# KiCad board ddr4-datacenter-tester.kicad_pcb
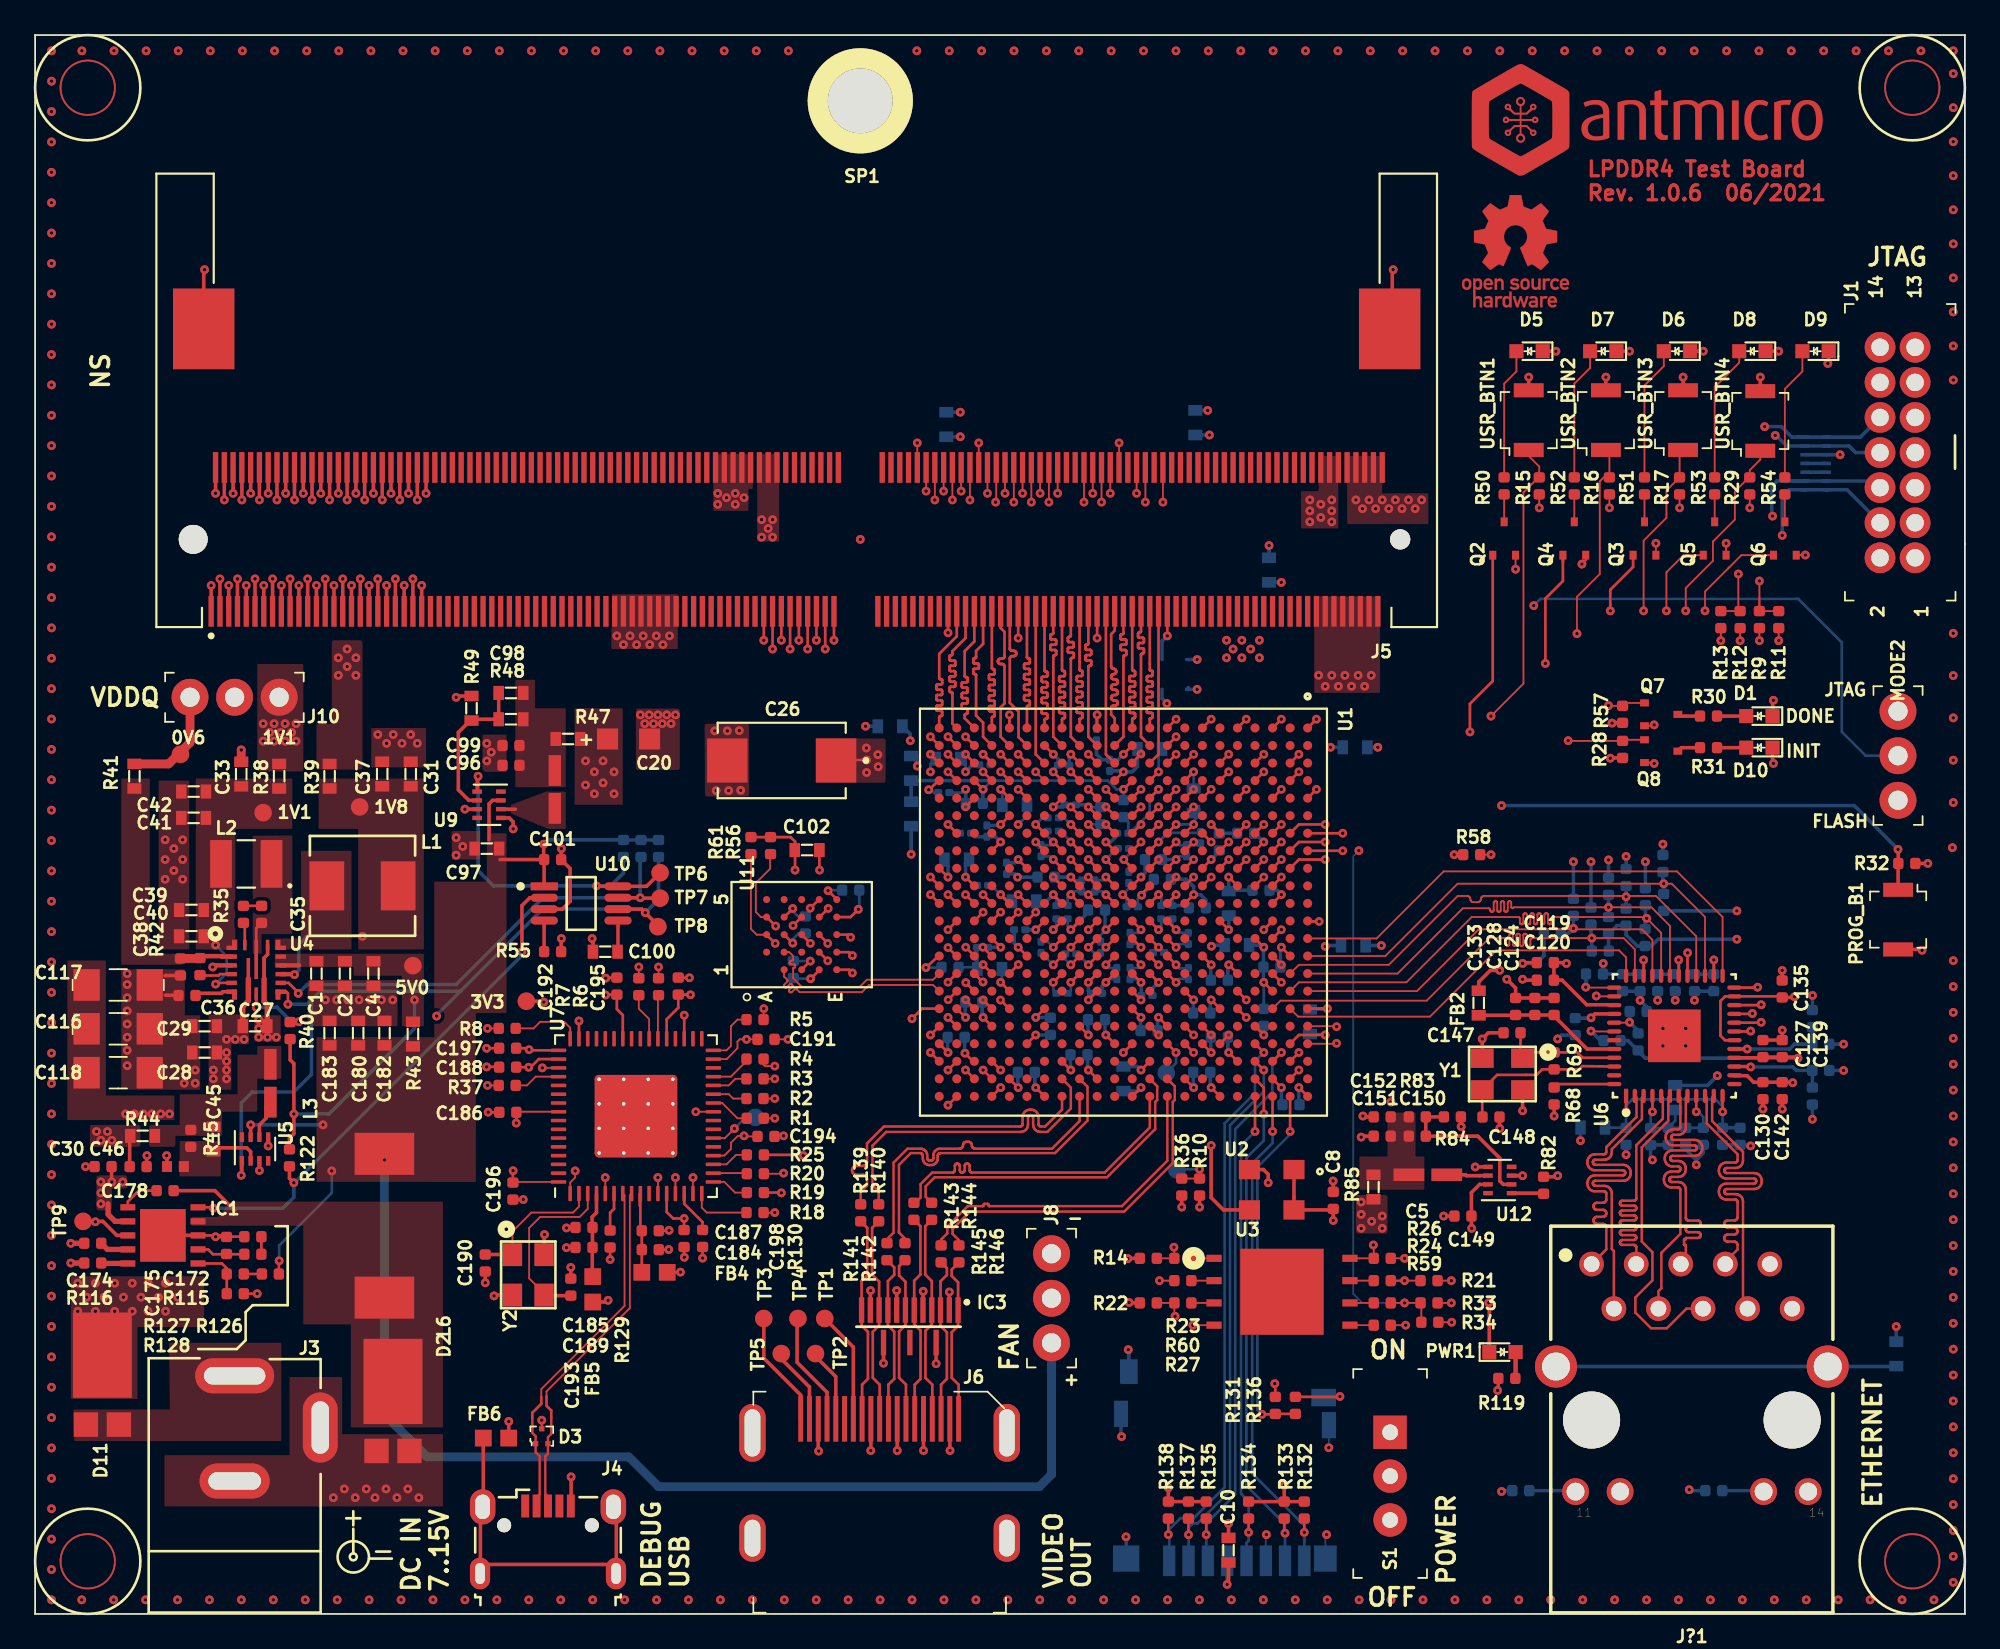
[diagram p0: board, top side]
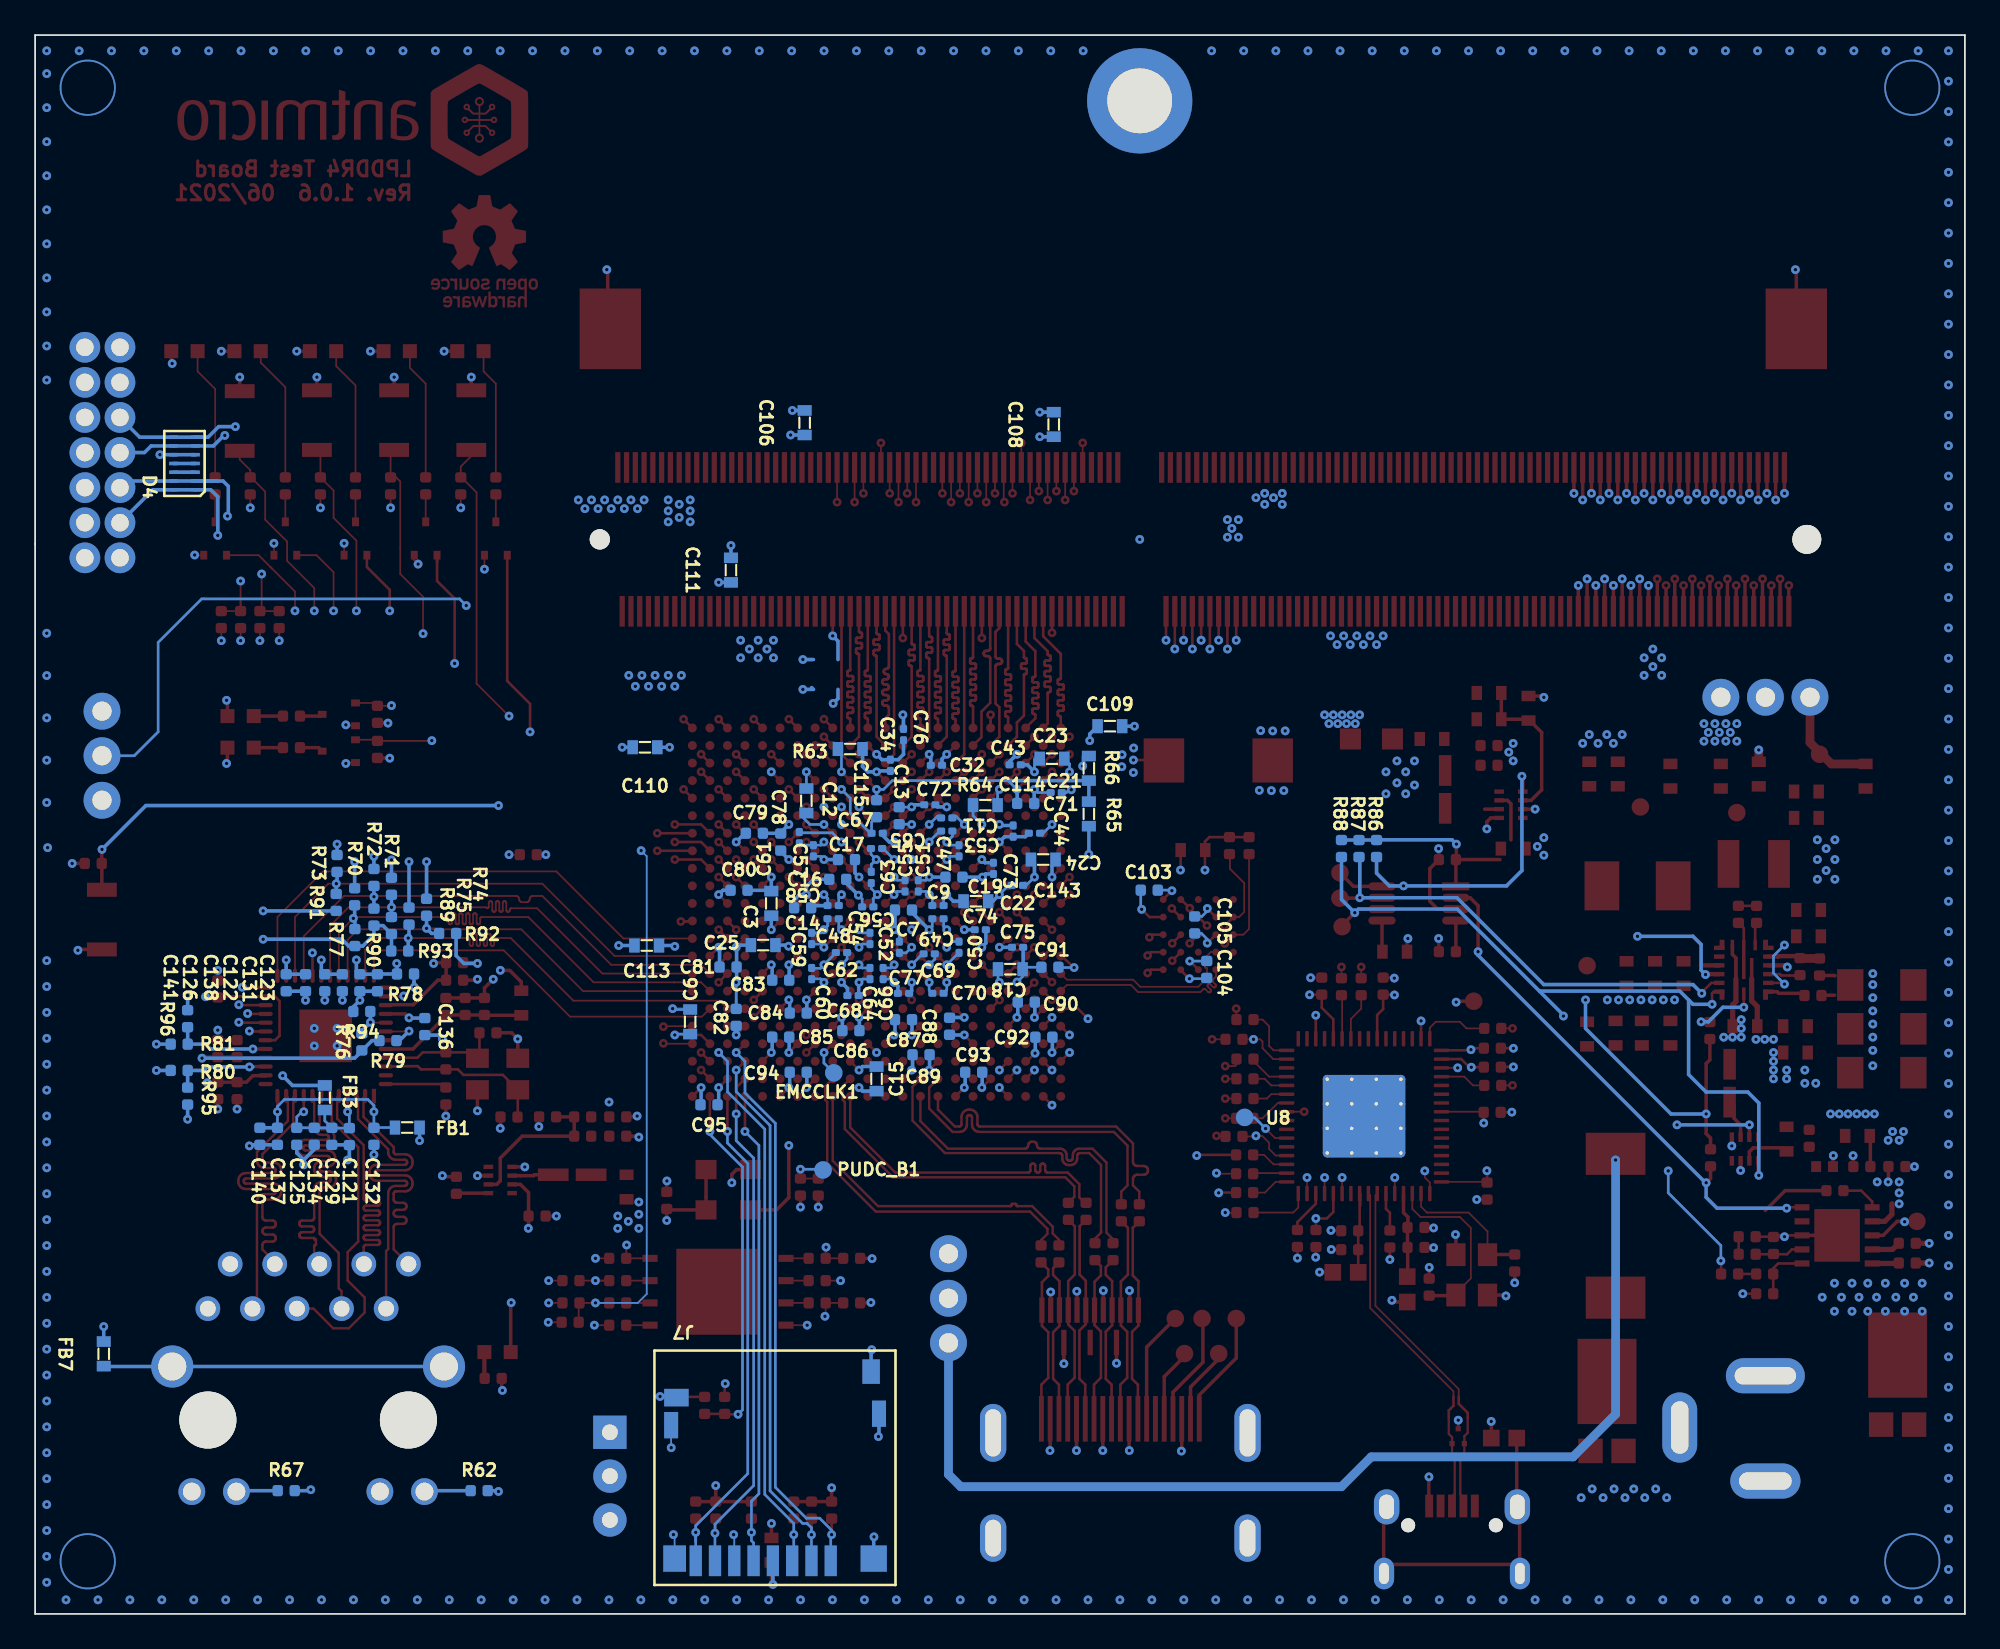
[diagram p1: board, bottom side, seen from below]

Outline 110 x 90 mm; copper layers: Top, GND1 (plane), In2.Cu, GND2 (plane), VCC1 (plane), In5.Cu, VCC2 (plane), Bottom. Coordinates in mm from the lower left corner of the outline.
Outline path: 0,90 110,90 110,0 0,0 0,90

## Placement (name value [footprint] x y rotation side)
0V6  TP_SMD1MM  [Testpoint_smd_1mm]  8.29 49.05 180 top
1V1  TP_SMD1MM  [Testpoint_smd_1mm]  13 45.62 0 top
1V8  TP_SMD1MM  [Testpoint_smd_1mm]  18.5 46.05 180 top
3V3  TP_SMD1MM  [Testpoint_smd_1mm]  28 34.88 0 top
5V0  TP_SMD1MM  [Testpoint_smd_1mm]  21.54 37 180 top
C1  C_10u_0603  [0603-cap]  16.04 36.5 270 top
C2  C_100n_0603  [0603-cap]  17.66 36.5 270 top
C3  C_47u_0603  [0603-cap]  68.04 40.5 90 bottom
C4  C_1u_0603  [0603-cap]  19.29 36.5 270 top
C5  C_100n_0402_6V3  [0402-cap]  76.79 20.27 0 top
C6  C_47u_0603  [0603-cap]  72.66 33.75 270 bottom
C7  C_4u7_0402  [0402-cap]  60.5 40.12 0 bottom
C8  C_100n_0402_6V3  [0402-cap]  74 23.57 90 top
C9  C_100n_0201  [0201-res]  58.54 40.38 0 bottom
C10  C_1u_0603  [0603-cap]  68.03 3.63 90 top
C11  C_100n_0201  [0201-res]  58.04 45.38 180 bottom
C12  C_47u_0603  [0603-cap]  66.04 46.35 90 bottom
C13  C_470n_0402  [0402-cap]  60.75 45.5 90 bottom
C14  C_4u7_0402  [0402-cap]  66.25 40.25 0 bottom
C15  C_47u_0603  [0603-cap]  62.04 30.5 270 bottom
C16  C_4u7_0402  [0402-cap]  64.25 41.88 0 bottom
C17  C_4u7_0402  [0402-cap]  63.75 43 180 bottom
C18  C_47u_0603  [0603-cap]  54.41 36.75 180 bottom
C19  C_4u7_0402  [0402-cap]  57.62 42 180 bottom
C20  C_100u_KEMET_A  [KEMET_A]  32.62 49.88 0 top
C21  C_100n_0201  [0201-res]  51.8 46.82 0 bottom
C22  C_47u_0603  [0603-cap]  56.38 40.62 180 bottom
C23  C_47u_0603  [0603-cap]  52.04 48.75 0 bottom
C24  C_47u_0603  [0603-cap]  52.54 43 180 bottom
C25  C_47u_0603  [0603-cap]  68.5 38.12 0 bottom
C26  C_330u_KEMET_D  [KEMET_D]  42.56 48.65 180 top
C27  C_10u_25V_0603  [0603-cap]  12.54 33.5 0 top
C28  C_10u_25V_0603  [0603-cap]  9.66 32 180 top
C29  C_10u_25V_0603  [0603-cap]  9.66 33.5 180 top
C30  C_100n_0402_16V  [0402-cap]  3.88 25.5 180 top
C31  C_22u_0603  [0603-cap]  21.41 47.88 90 top
C32  C_100n_0201  [0201-res]  58.62 48.38 0 bottom
C33  C_10u_0603  [0603-cap]  11.75 47.88 90 top
C34  C_100n_0201  [0201-res]  61.25 48.38 90 bottom
C35  C_100n_0402_6V3  [0402-cap]  12.91 39.88 90 top
C36  C_470n_0402  [0402-cap]  8.66 35.25 180 top
C37  C_22u_0603  [0603-cap]  19.79 47.88 90 top
C38  C_10u_0402  [0402-cap]  8.29 36.88 270 top
C39  C_22u_0603  [0603-cap]  8.91 40.13 180 top
C40  C_22u_0603  [0603-cap]  8.91 38.63 180 top
C41  C_22u_0603  [0603-cap]  9.04 45.38 180 top
C42  C_22u_0603  [0603-cap]  9.04 46.88 180 top
C43  C_100n_0201  [0201-res]  54.14 48.4 180 bottom
C44  C_100n_0201  [0201-res]  54.25 44.62 270 bottom
C45  C_120p_0603  [0603-cap]  10.17 27.07 270 top
C46  C_10u_0402  [0402-cap]  5.88 25.5 0 top
C47  C_100n_0201  [0201-res]  57.34 43.5 90 bottom
C48  C_100n_0201  [0201-res]  64.51 39.63 0 bottom
C49  C_100n_0201  [0201-res]  58.54 39.63 180 bottom
C50  C_100n_0201  [0201-res]  57.34 38 270 bottom
C51  C_100n_0201  [0201-res]  59.66 41.5 270 bottom
C52  C_100n_0201  [0201-res]  60.74 38 90 bottom
C53  C_100n_0201  [0201-res]  58.04 44.62 180 bottom
C54  C_100n_0201  [0201-res]  62.41 38.5 90 bottom
C55  C_100n_0201  [0201-res]  60.41 41.5 270 bottom
C56  C_100n_0201  [0201-res]  62.54 40.3 180 bottom
C57  C_100n_0201  [0201-res]  65.64 43.5 90 bottom
C58  C_100n_0201  [0201-res]  64.51 40.38 180 bottom
C59  C_100n_0201  [0201-res]  65.74 38.5 90 bottom
C60  C_100n_0201  [0201-res]  65.74 36.5 90 bottom
C61  C_100n_0201  [0201-res]  66.44 44.25 270 bottom
C62  C_100n_0201  [0201-res]  64.04 37.7 0 bottom
C63  C_100n_0201  [0201-res]  62.34 41.98 270 bottom
C64  C_100n_0201  [0201-res]  62.41 36.5 90 bottom
C65  C_100n_0201  [0201-res]  62.04 43.63 180 bottom
C66  C_100n_0201  [0201-res]  61.66 36.5 270 bottom
C67  C_100n_0201  [0201-res]  62 44.5 0 bottom
C68  C_100n_0201  [0201-res]  63.38 35.25 0 bottom
C69  C_100n_0201  [0201-res]  59.04 37.63 0 bottom
C70  C_100n_0201  [0201-res]  58.54 35.38 0 bottom
C71  C_100n_0201  [0201-res]  53.04 44.5 0 bottom
C72  C_100n_0201  [0201-res]  59 46.12 0 bottom
C73  C_100n_0201  [0201-res]  55.38 42.5 270 bottom
C74  C_100n_0201  [0201-res]  56.12 39 180 bottom
C75  C_100n_0201  [0201-res]  54 38 180 bottom
C76  C_100n_0201  [0201-res]  60.5 50.12 270 bottom
C77  C_100n_0201  [0201-res]  60.5 35.38 0 bottom
C78  C_4u7_0402  [0402-cap]  67.5 44 90 bottom
C79  C_4u7_0402  [0402-cap]  69 44.5 180 bottom
C80  C_4u7_0402  [0402-cap]  69.88 41.25 180 bottom
C81  C_4u7_0402  [0402-cap]  70.5 36.88 180 bottom
C82  C_4u7_0402  [0402-cap]  70.04 34 90 bottom
C83  C_4u7_0402  [0402-cap]  67.5 36.12 180 bottom
C84  C_4u7_0402  [0402-cap]  66.5 34.25 0 bottom
C85  C_4u7_0402  [0402-cap]  67.5 32.88 0 bottom
C86  C_4u7_0402  [0402-cap]  63.5 33.25 0 bottom
C87  C_4u7_0402  [0402-cap]  60.5 33.88 0 bottom
C88  C_4u7_0402  [0402-cap]  57.88 33.5 90 bottom
C89  C_4u7_0402  [0402-cap]  59.5 31.88 180 bottom
C90  C_4u7_0402  [0402-cap]  53.5 34.88 0 bottom
C91  C_4u7_0402  [0402-cap]  52.16 36.86 0 bottom
C92  C_4u7_0402  [0402-cap]  52.5 32.88 180 bottom
C93  C_4u7_0402  [0402-cap]  56.5 30.88 180 bottom
C94  C_4u7_0402  [0402-cap]  66.5 30.88 180 bottom
C95  C_4u7_0402  [0402-cap]  71.59 29.03 0 bottom
C96  C_10u_0402  [0402-cap]  27.12 48.38 180 top
C97  C_4u7_0603  [0603-cap]  25.75 43.62 180 top
C98  C_120p_0603  [0603-cap]  27.12 52.5 180 top
C99  C_10u_0402  [0402-cap]  27.12 49.5 180 top
C100  C_10n_0603  [0603-cap]  32.5 37.75 0 top
C101  C_100n_0402_6V3  [0402-cap]  29.5 43 0 top
C102  C_47u_0603  [0603-cap]  44 43.54 0 top
C103  C_100n_0402_6V3  [0402-cap]  46.49 41.26 180 bottom
C104  C_100n_0402_6V3  [0402-cap]  43.22 36.74 90 bottom
C105  C_100n_0402_6V3  [0402-cap]  43.9 39.28 270 bottom
C106  C_10n_0603  [0603-cap]  66.14 67.9 90 bottom
C108  C_10n_0603  [0603-cap]  51.94 67.8 90 bottom
C109  C_10n_0603  [0603-cap]  48.74 50.6 180 bottom
C110  C_10n_0603  [0603-cap]  75.24 49.4 0 bottom
C111  C_10n_0603  [0603-cap]  70.34 59.5 90 bottom
C113  C_10n_0603  [0603-cap]  75.14 38.1 0 bottom
C114  C_100n_0402_6V3  [0402-cap]  53.54 46.2 180 bottom
C115  C_100n_0402_6V3  [0402-cap]  62.04 45.9 270 bottom
C116  C_47u_16V_1206  [1206-cap]  4.74 33.35 0 top
C117  C_47u_16V_1206  [1206-cap]  4.74 35.85 0 top
C118  C_47u_16V_1206  [1206-cap]  4.74 30.85 0 top
C119  C_4u7_0402  [0402-cap]  86.09 37.13 180 top
C120  C_470n_0402  [0402-cap]  86.09 36.13 180 top
C121  C_4u7_0402  [0402-cap]  92.09 27.21 270 bottom
C122  C_470n_0402  [0402-cap]  92.49 35.98 270 bottom
C123  C_4u7_0402  [0402-cap]  90.49 35.98 270 bottom
C124  C_4u7_0402  [0402-cap]  86.59 34.63 90 top
C125  C_470n_0402  [0402-cap]  95.09 27.23 270 bottom
C126  C_470n_0402  [0402-cap]  94.59 35.98 270 bottom
C127  C_470n_0402  [0402-cap]  98.49 32.23 90 top
C128  C_100n_0402  [0402-cap]  85.49 34.63 90 top
C129  C_10n_0402  [0402-cap]  93.09 27.23 270 bottom
C130  C_10n_0402  [0402-cap]  98.49 29.83 270 top
C131  C_10n_0402  [0402-cap]  91.49 35.98 270 bottom
C132  C_4u7_0402  [0402-cap]  90.69 27.23 270 bottom
C133  C_10n_0402  [0402-cap]  84.39 34.63 90 top
C134  C_10n_0402  [0402-cap]  94.09 27.23 270 bottom
C135  C_10n_0402  [0402-cap]  99.59 35.63 90 top
C136  C_10n_0402  [0402-cap]  87.79 33.48 270 bottom
C137  C_10n_0402  [0402-cap]  96.19 27.23 270 bottom
C138  C_10n_0402  [0402-cap]  93.49 35.98 270 bottom
C139  C_10n_0402  [0402-cap]  99.59 32.23 90 top
C140  C_10n_0402  [0402-cap]  97.19 27.23 270 bottom
C141  C_10n_0402  [0402-cap]  95.69 35.98 270 bottom
C142  C_10n_0402  [0402-cap]  99.59 29.83 270 top
C143  C_100n_0201  [0201-res]  54.01 41.53 0 bottom
C147  C_22p_0402  [0402-cap]  84.19 33.13 180 top
C148  C_22p_0402  [0402-cap]  82.99 28.33 0 top
C149  C_10u_0402  [0402-cap]  81.39 22.68 180 top
C150  C_120p_0402  [0402-cap]  78.79 27.23 0 top
C151  C_10u_0402  [0402-cap]  76.79 27.23 180 top
C152  C_10u_0402  [0402-cap]  76.79 28.33 180 top
C172  C_4n7_0402  [0402-cap]  12.41 21.5 180 top
C174  C_10n_0402  [0402-cap]  3.29 21.13 180 top
C175  C_47p_0402  [0402-cap]  10.91 21 90 top
C178  C_100n_0402_6V3  [0402-cap]  7.41 24.13 180 top
C180  C_47u_0603  [0603-cap]  18.42 33.11 90 top
C182  C_47u_0603  [0603-cap]  19.92 33.11 90 top
C183  C_47u_0603  [0603-cap]  16.79 33.11 90 top
C184  C_100n_0402_6V3  [0402-cap]  35.07 20.76 0 top
C185  C_100n_0402_6V3  [0402-cap]  31.29 22.03 180 top
C186  C_100n_0402_6V3  [0402-cap]  26.95 28.59 180 top
C187  C_4u7_0402  [0402-cap]  35.07 21.84 0 top
C188  C_100n_0402_6V3  [0402-cap]  26.94 31.17 180 top
C189  C_4u7_0402  [0402-cap]  31.29 20.89 180 top
C190  C_18p_0402  [0402-cap]  25.66 20 270 top
C191  C_100n_0402_6V3  [0402-cap]  41.66 32.75 0 top
C192  C_100n_0402_6V3  [0402-cap]  33.16 35.79 90 top
C193  C_18p_0402  [0402-cap]  30.54 18.63 90 top
C194  C_100n_0402_6V3  [0402-cap]  41.66 27.22 0 top
C195  C_4u7_0402  [0402-cap]  36.66 35.79 90 top
C196  C_100n_0402_6V3  [0402-cap]  27.24 24.1 270 top
C197  C_100n_0402_6V3  [0402-cap]  26.94 32.25 180 top
C198  C_100n_0402_6V3  [0402-cap]  36.99 21.4 270 top
D1  KP-1608CGCK  [LED_0603]  98.29 51.18 180 top
D2  -  [PDS760-13]  20.5 12.75 270 top
D3  TPD2E009  [SOT-3]  28.88 10.13 0 top
D4  -  [TPD6E05U06]  101.49 65.58 90 bottom
D5  KP-1608CGCK  [LED_0603]  85.19 71.98 180 top
D6  KP-1608CGCK  [LED_0603]  93.59 71.98 180 top
D7  KP-1608CGCK  [LED_0603]  89.39 71.98 180 top
D8  KP-1608CGCK  [LED_0603]  97.89 71.98 180 top
D9  KP-1608CGCK  [LED_0603]  101.49 71.98 180 top
D10  KP-1608CGCK  [LED_0603]  98.29 49.38 180 top
D11  -  [PDS760-13]  3.94 14.25 270 top
EMCCLK1  test  [Testpoint_smd_1mm]  64.48 30.89 0 bottom
FB1  BLM18PG121SN1D  [0603-res]  88.79 27.73 0 bottom
FB2  BLM18PG121SN1D  [0603-res]  82.29 34.83 90 top
FB3  BLM18PG121SN1D  [0603-res]  93.49 29.43 90 bottom
FB4  BLM18AG601SN1D  [0603]  35.31 19.47 180 top
FB5  BLM18AG601SN1D  [0603]  31.79 18.5 90 top
FB6  BLM18AG601SN1D  [0603]  26.27 10.02 180 top
FB7  BLM18PG121SN1D  [0603-res]  106.09 14.83 90 bottom
IC1  TPS54561  [WSON-10_4x4]  7.29 21.58 0 top
IC3  TPD8S009DSMR  [R-PDSO-N15]  49.86 15.57 180 top
J1  0878311420  [PinHeader_2x7_P2mm_Drill1mm]  107.16 60.2 270 top
J3  -  [DC_SOCKET]  11.38 -0.12 0 top
J4  WE_629105150521  [USB_Micro_B_Female_629105150521]  29.24 4.25 0 top
J5  2309409-1  [TE_2309409-1]  46.91 61.25 180 top
J6  685119134923  [HDMI_A_Female_685119134923]  48.14 9.82 180 top
J7  1140084168  [MicroSD_1140084168]  67.77 8.33 180 bottom
J8  61300311121  [PinHeader_1x3_P2.54_Drill1.1mm]  57.94 15.45 90 top
J10  61300311121  [PinHeader_1x3_P2.54_Drill1.1mm]  13.91 52.25 180 top
J?1  WE-RJ45_7499111121A  [7499111121A]  94.44 11.05 180 top
L1  -  [IHLP2020BZER4R7M01]  18.66 41.5 0 top
L2  DFE322512F-R68M=P2  [INDC3225X120N]  12.04 42.75 180 top
L3  IHLP1212AEERR47M11  [IHLP-1212AE]  13.41 30.25 90 top
L4  IHLP1212AEERR47M11  [IHLP-1212AE]  29.62 47 90 top
L5  IHLP1212AEERR47M11  [IHLP-1212AE]  79.39 25.03 180 top
L6  -  [WE_7447798720]  19.91 22.13 90 top
MODE2  61300311121  [PinHeader_1x3_P2.54_Drill1.1mm]  106.19 46.38 90 top
N1  oshw_logo  [oshw-logo]  84.39 77.68 0 top
N2  antmicro_logo  [antmicro-logo_scaled_20mm]  91.89 84.98 0 top
PROG_B1  B3U-1000P  [Switch_Tactile_SMD_B3U-1000P]  106.19 39.58 270 top
PUDC_B1  test  [Testpoint_smd_1mm]  65.09 25.36 0 bottom
PWR1  KP-1608CGCK  [LED_0603]  83.64 14.93 0 top
Q2  BSS138APW  [SC70-3]  83.74 61.3 90 top
Q3  BSS138APW  [SC70-3]  91.74 61.3 90 top
Q4  BSS138APW  [SC70-3]  87.74 61.3 90 top
Q5  BSS138APW  [SC70-3]  95.74 61.3 90 top
Q6  BSS138APW  [SC70-3]  99.74 61.3 90 top
Q7  BSS138APW  [SC70-3]  92.69 51.28 0 top
Q8  BSS138APW  [SC70-3]  92.69 49.18 0 top
R1  R_22R_0402  [0402-res]  41.05 28.25 0 top
R2  R_22R_0402  [0402-res]  41.04 29.38 0 top
R3  R_22R_0402  [0402-res]  41.04 30.5 0 top
R4  R_22R_0402  [0402-res]  41.04 31.63 0 top
R5  R_22R_0402  [0402-res]  41.04 33.88 0 top
R6  R_22R_0402  [0402-res]  35.54 35.75 90 top
R7  R_22R_0402  [0402-res]  34.41 35.75 90 top
R8  R_22R_0402  [0402-res]  26.91 33.38 180 top
R9  R_0R_0402  [0402-res]  98.29 56.68 270 top
R10  R_100R_0402  [0402-res]  66.38 24.33 90 top
R11  R_0R_0402  [0402-res]  99.39 56.68 270 top
R12  R_0R_0402  [0402-res]  97.19 56.68 270 top
R13  R_0R_0402  [0402-res]  96.09 56.68 270 top
R14  R_2k2_0402  [0402-res]  63.45 20.27 180 top
R15  R_4k7_0402  [0402-res]  85.74 64.3 90 top
R16  R_4k7_0402  [0402-res]  89.74 64.3 90 top
R17  R_4k7_0402  [0402-res]  93.74 64.3 90 top
R18  R_22R_0402  [0402-res]  41.04 22.88 0 top
R19  R_22R_0402  [0402-res]  41.06 24.02 0 top
R20  R_22R_0402  [0402-res]  41.06 25.09 0 top
R21  R_4k7_0402  [0402-res]  79.46 19 180 top
R22  R_4k7_0402  [0402-res]  63.45 17.73 0 top
R23  R_0R_0402  [0402-res]  65.42 20.27 180 top
R24  R_0R_0402  [0402-res]  76.79 17.73 0 top
R25  R_22R_0402  [0402-res]  41.06 26.17 0 top
R26  R_0R_0402  [0402-res]  76.79 19 0 top
R27  R_0R_0402  [0402-res]  65.42 17.73 180 top
R28  R_4k7_0402  [0402-res]  90.49 49.28 90 top
R29  R_4k7_0402  [0402-res]  97.74 64.3 90 top
R30  R_330R_0402  [0402-res]  95.39 51.18 180 top
R31  R_330R_0402  [0402-res]  95.39 49.38 180 top
R32  R_4k7_0402  [0402-res]  106.69 42.78 180 top
R33  R_100R_0402  [0402-res]  79.46 17.73 180 top
R34  R_100R_0402  [0402-res]  79.5 16.62 0 top
R35  R_5R1_0402  [0402-res]  11.88 39.88 90 top
R36  R_100R_0402  [0402-res]  65.36 24.33 270 top
R37  R_22R_0402  [0402-res]  26.91 30.13 180 top
R38  R_0R_0603  [0603-res]  13.91 47.75 90 top
R39  R_0R_0603  [0603-res]  16.79 47.75 90 top
R40  R_100k_0402  [0402-res]  14.54 33.25 270 top
R41  R_0R_0603  [0603-res]  5.66 47.75 90 top
R42  R_0R_0402  [0402-res]  9.4 36.9 90 top
R43  R_0R_0603  [0603-res]  21.54 33.05 270 top
R44  R_0R_0603  [0603-res]  6.12 27.25 0 top
R45  R_453k_0402  [0402-res]  8.88 27.11 270 top
R46  R_100k_1%_0402  [0402]  8 25.5 180 top
R47  R_0R_0603  [0603-res]  30.38 49.88 180 top
R48  R_66k5_0603  [0603-res]  27.12 51 180 top
R49  R_100k_0603  [0603-res]  24.88 51.62 90 top
R50  R_330R_0402  [0402-res]  83.74 64.3 270 top
R51  R_330R_0402  [0402-res]  91.74 64.3 270 top
R52  R_330R_0402  [0402-res]  87.74 64.3 270 top
R53  R_330R_0402  [0402-res]  95.74 64.3 270 top
R54  R_330R_0402  [0402-res]  99.74 64.3 270 top
R55  R_0R_0402  [0402-res]  29.5 37.75 0 top
R56  R_10k_0402  [0402-res]  41.92 43.8 270 top
R57  R_330R_0402  [0402-res]  90.49 51.28 90 top
R58  R_0R_0402  [0402-res]  81.89 43.28 180 top
R59  R_0R_0402  [0402-res]  76.79 16.46 0 top
R60  R_0R_0402  [0402-res]  65.42 19 180 top
R61  R_10k_0402  [0402-res]  40.8 43.8 270 top
R62  R_220R_0402  [0402-res]  84.69 7.03 180 bottom
R63  R_120R_0603  [0603-res]  63.54 49.3 180 bottom
R64  R_120R_0603  [0603-res]  55.84 46.1 0 bottom
R65  R_1k_0603  [0603-res]  49.94 45.6 90 bottom
R66  R_1k_0603  [0603-res]  49.94 48.2 90 bottom
R67  R_220R_0402  [0402-res]  95.69 7.03 180 bottom
R68  R_12k1_0402  [0402-res]  86.59 29.53 90 top
R69  R_1M8_0402  [0402-res]  86.59 31.53 270 top
R70  R_10k2_0402  [0402-res]  91.79 40.88 90 bottom
R71  R_10k2_0402  [0402-res]  89.69 41.48 90 bottom
R72  R_10k2_0402  [0402-res]  90.69 41.98 90 bottom
R73  R_10k2_0402  [0402-res]  92.79 42.78 90 bottom
R74  R_10k2_0402  [0402-res]  87.69 40.28 90 bottom
R75  R_10k2_0402  [0402-res]  88.69 39.78 90 bottom
R76  R_10k2_0402  [0402-res]  91.38 32.61 270 bottom
R77  R_2k2_0402  [0402-res]  91.77 38.55 270 bottom
R78  R_1k_0402  [0402-res]  88.89 36.48 0 bottom
R79  R_10k2_0402  [0402-res]  89.89 32.68 0 bottom
R80  R_10k2_0402  [0402-res]  101.79 30.98 0 bottom
R81  R_10k2_0402  [0402-res]  101.79 32.48 0 bottom
R82  R_0R_0402  [0402-res]  85.99 24.43 90 top
R83  R_100k_0402  [0402-res]  78.79 28.33 0 top
R84  R_100k_0402  [0402-res]  80.79 28.33 0 top
R85  R_0R_0603  [0603-res]  76.29 24.33 90 top
R86  R_10k_0402  [0402-res]  33.54 43.63 270 bottom
R87  R_10k_0402  [0402-res]  34.54 43.63 270 bottom
R88  R_10k_0402  [0402-res]  35.54 43.63 270 bottom
R89  R_2k2_0402  [0402-res]  89.69 39.24 270 bottom
R90  R_2k2_0402  [0402-res]  90.69 39.72 270 bottom
R91  R_2k2_0402  [0402-res]  92.84 40.56 270 bottom
R92  R_2k2_0402  [0402-res]  86.49 38.79 180 bottom
R93  R_2k2_0402  [0402-res]  89.22 37.79 0 bottom
R94  R_2k2_0402  [0402-res]  91.38 34.34 0 bottom
R95  R_2k2_0402  [0402-res]  101.31 29.52 270 bottom
R96  R_2k2_0402  [0402-res]  101.31 33.93 90 bottom
R115  R_16k9_0402  [0402-res]  12.41 20.5 0 top
R116  R_243k_0402  [0402-res]  3.29 20 0 top
R119  R_330R_0402  [0402-res]  83.89 13.43 180 top
R122  R_100k_0402  [0402-res]  14.5 26 270 top
R126  R_49R9_0402  [0402-res]  13.41 19.38 180 top
R127  R_53k6_0402  [0402-res]  11.41 19.38 180 top
R128  R_10k2_0402  [0402-res]  11.41 18.25 0 top
R129  R_12k_0402  [0402-res]  32.78 21.37 90 top
R130  R_10k_0402  [0402-res]  38.05 21.4 90 top
R131  R_20k_0402  [0402-res]  70.69 11.89 270 top
R132  R_20k_0402  [0402-res]  72.34 5.92 270 top
R133  R_20k_0402  [0402-res]  71.2 5.92 270 top
R134  R_20k_0402  [0402-res]  69.17 5.92 270 top
R135  R_20k_0402  [0402-res]  66.76 5.92 270 top
R136  R_220R_0402  [0402-res]  71.84 11.89 90 top
R137  R_20k_0402  [0402-res]  65.74 5.92 270 top
R138  R_20k_0402  [0402-res]  64.6 5.92 270 top
R139  R_0R_0402  [0402-res]  47.06 22.86 270 top
R140  R_0R_0402  [0402-res]  48.08 22.86 270 top
R141  R_0R_0402  [0402-res]  48.56 20.65 270 top
R142  R_0R_0402  [0402-res]  49.58 20.65 270 top
R143  R_0R_0402  [0402-res]  50.09 22.95 270 top
R144  R_0R_0402  [0402-res]  51.1 22.95 270 top
R145  R_0R_0402  [0402-res]  51.64 20.52 270 top
R146  R_0R_0402  [0402-res]  52.66 20.52 270 top
S1  EG1218  [Switch_Slide_11.6x4mm_EG1218]  77.24 10.35 270 top
SP1  -  [9774050151]  47.14 86.25 0 top
TP1  TP_SMD1MM  [Testpoint_smd_1mm]  45.06 16.84 90 top
TP2  TP_SMD1MM  [Testpoint_smd_1mm]  44.53 14.84 90 top
TP3  TP_SMD1MM  [Testpoint_smd_1mm]  41.58 16.84 90 top
TP4  TP_SMD1MM  [Testpoint_smd_1mm]  43.53 16.84 90 top
TP5  TP_SMD1MM  [Testpoint_smd_1mm]  42.58 14.84 90 top
TP6  TP_SMD1MM  [Testpoint_smd_1mm]  35.62 42.2 0 top
TP7  TP_SMD1MM  [Testpoint_smd_1mm]  35.62 40.75 0 top
TP8  TP_SMD1MM  [Testpoint_smd_1mm]  35.5 39.12 0 top
TP9  TP_SMD1MM  [Testpoint_smd_1mm]  2.79 22.38 90 top
U1  XC7K70T-FBG484  [BGA484C100P22X22_2300X2300X244N]  62.04 40 270 top
U2  -  [ASFLMB-100.000MHZ-XY-T]  70.49 24.18 180 top
U3  -  [S25FL128SAGNFI000]  71.07 18.36 0 top
U4  TPS65296  [VQFN-HR]  12.6 35.36 0 top
U5  TPS62823DLCT  [QFN-8_2x1mm]  12.54 26.5 90 top
U6  KSZ9031RNXCA  [QFN-48-Microchip-QFN77-48LD-PL-2]  93.44 32.95 90 top
U7  -  [FT4232HQ]  34.25 28.38 90 top
U8  SRST  [Testpoint_smd_1mm]  41.06 28.35 0 bottom
U9  TPS62823DLCT  [QFN-8_2x1mm]  25.88 46.12 0 top
U10  LM3881MME_NOPB  [VSSOP8-Texas_Instruments-DGK0008A]  31.12 40.5 0 top
U11  S27KL0641DABHI023  [FBGA-24]  43.7 38.72 90 top
U12  TPS62823DLCT  [QFN-8_2x1mm]  83.49 24.73 180 top
USR_BTN1  B3U-1000P  [Switch_Tactile_SMD_B3U-1000P]  85.14 68.05 90 top
USR_BTN2  B3U-1000P  [Switch_Tactile_SMD_B3U-1000P]  89.54 68.05 90 top
USR_BTN3  B3U-1000P  [Switch_Tactile_SMD_B3U-1000P]  93.94 68.05 90 top
USR_BTN4  B3U-1000P  [Switch_Tactile_SMD_B3U-1000P]  98.34 68 90 top
Y1  ABM8G-25.000MHZ-18-D2Y-T  [KX-7]  83.69 30.73 180 top
Y2  ABM8G-12.000MHZ-18-D2Y-T  [KX-7]  28.16 19.38 270 top